# Altium PCB 4090ovo(003).pcbdoc (part 3 of 3) (continued)
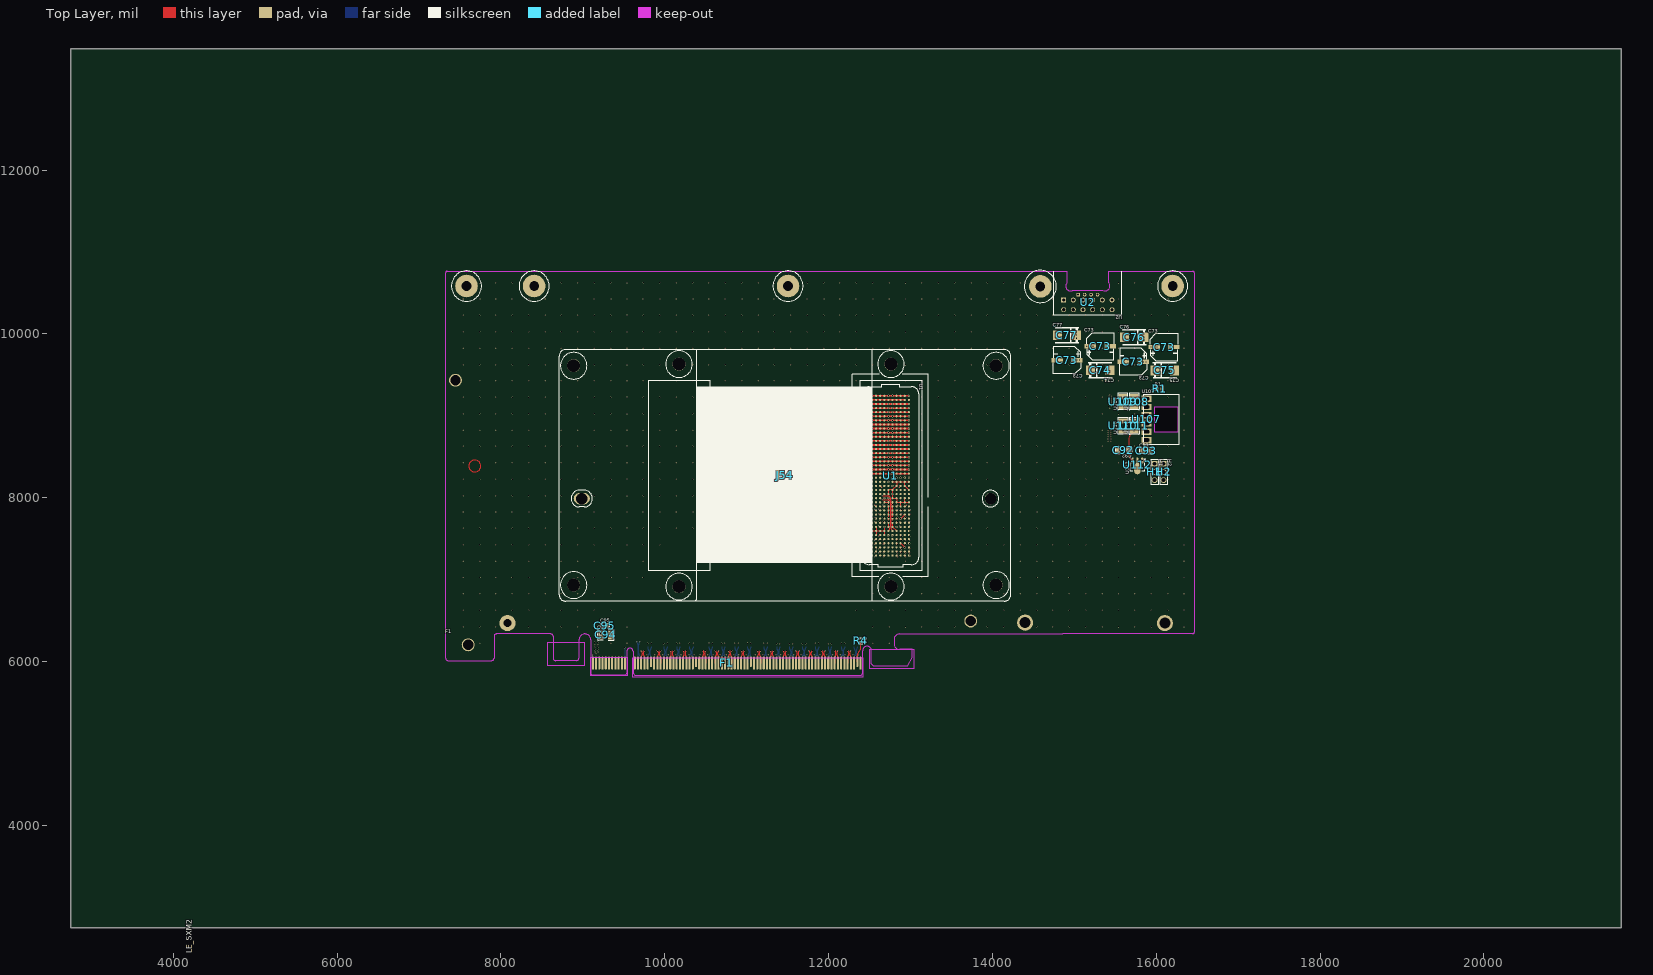
[diagram p0: Top Layer view]
## Nets (pads, with @x,y where several pads share a name; then routed paths per layer and width w, separated by ;. In a path a pad name is that pad's centre, name@x,y a point inside that pad or via, vN(x,y) a via of type N, cw(c..) or ccw(c..) an arc to the next point about the centre after c; other vN are vias at no path point) (continued)
TX4+: C7.2 U1.G10 | length 3027.5
  Top Layer w5.9: U1.G10@12830.01,7745 12840.92,7755.91 ccw(c12836.84,7760) 12841.02,7756.01 ccw(c12836.83,7760) v1(12842.61,7760)
  Inner4 w4.5: v1(10540,6221.46) 10540,6229.67 cw(c10565.69,6229.67) 10547.53,6247.83 ; 10547.52,6247.84 ccw(c10529.36,6266) 10555.05,6266 10555.05,6354.51 cw(c10556.25,6354.51) 10555.4,6355.35 ccw(c10554.56,6356.19) 10555.75,6356.2 10555.75,6361.2 ccw(c9917.51,6359.11) 10555.66,6370.2 cw(c11242.26,6382.13) 10591.95,6602.73 cw(c10901.26,6497.81) 10689.49,6746.47 cw(c13594.72,3335.08) 11385.66,7233.54 ; 11385.68,7233.56 ccw(c-6253.15,38397.9) 11393.52,7237.99 12045.81,7607.4 cw(c12616.38,6599.89) 12207,7682.95 cw(c12486.08,6944.62) 12459.72,7733.5 cw(c12804.25,-2577.4) 12804.25,7739.25 12813.72,7739.25 ccw(c12813.72,7740.53) 12814.63,7739.63 ; 12814.62,7739.62 cw(c12815.53,7738.72) 12815.53,7740 12825,7740 ccw(c12825,7757.61) 12842.61,7757.61 v1(12842.61,7760)
TX4-: C8.2 U1.G9 | length 3024
  Top Layer w5.9: U1.G9@12830.01,7695 cw(c12842.09,7695) 12833.55,7703.55 v1(12840,7710)
  Inner4 w4.5: 10572.47,6247.83 cw(c10554.31,6229.67) 10580,6229.67 v1(10580,6221.46) ; 10572.48,6247.84 cw(c10590.64,6266) 10564.95,6266 10564.95,6318.87 10568.13,6322.06 10571.82,6322.06 10575,6325.24 10575,6333.87 10571.82,6337.06 10568.13,6337.06 10564.95,6340.24 10564.95,6354.51 ccw(c10563.75,6354.51) 10564.6,6355.35 cw(c10565.44,6356.19) 10564.25,6356.2 10564.25,6361.2 ccw(c9933.04,6359.11) 10564.16,6370.2 cw(c11242.3,6382.12) 10600,6600 cw(c10901.26,6497.81) 10695,6740 cw(c13594.71,3335.08) 11389.84,7226.14 ccw(c-6248.96,38390.5) 11397.7,7230.59 12050,7600 cw(c12616.38,6599.89) 12210,7675 cw(c12486.08,6944.62) 12460,7725 cw(c12804.25,-2577.4) 12804.25,7730.75 12813.72,7730.75 cw(c12813.72,7729.47) 12814.63,7730.37 ; 12814.62,7730.38 ccw(c12815.53,7731.28) 12815.53,7730 12825,7730 cw(c12825,7715) 12840,7715 v1(12840,7710)
TX5+: C9.2 U1.H9 | length 2873.4
  Top Layer w4.5: v1(12870.92,7710) ccw(c12887.85,7710) U1.H9@12880.01,7695
  Inner4 w4.5: v1(10695,6221.46) 10695,6229.67 cw(c10720.69,6229.67) 10702.53,6247.83 ; 10702.52,6247.84 ccw(c10684.36,6266) 10710.05,6266 10710.05,6335.8 cw(c10711.24,6335.8) 10710.4,6336.64 ccw(c10709.56,6337.49) 10710.75,6337.49 10710.75,6342.49 ccw(c9108.81,6344.06) 10710.73,6351.49 ccw(c8394.87,6340.73) 10710,6400 cw(c11055.37,6408.84) 10730,6525 cw(c11233.93,6345.09) 10890,6755 cw(c13414.21,3746.55) 11320.59,7069.07 12185,7615 cw(c12439.81,7211.54) 12440,7688.73 12820.62,7688.73 ccw(c12820.62,7758.8) 12870.18,7709.25 v1(12870.92,7710)
TX5-: C10.2 U1.H8 | length 2871.8
  Top Layer w4.5: v1(12870.92,7658.95) ccw(c12886.18,7658.95) U1.H8@12880.01,7645
  Inner4 w4.5: 10727.47,6247.83 cw(c10709.31,6229.67) 10735,6229.67 v1(10735,6221.46) ; 10727.48,6247.84 cw(c10745.64,6266) 10719.95,6266 10719.95,6301.46 10723.13,6304.65 10726.82,6304.65 10730,6307.83 10730,6316.46 10726.82,6319.65 10723.13,6319.65 10719.95,6322.83 10719.95,6335.8 ccw(c10718.76,6335.8) 10719.6,6336.64 cw(c10720.44,6337.49) 10719.25,6337.49 10719.25,6342.49 ccw(c9110.82,6344.05) 10719.23,6351.49 ccw(c8395.12,6340.74) 10718.5,6400.22 cw(c11055.37,6408.84) 10738.01,6522.14 cw(c11233.93,6345.09) 10895.46,6748.49 cw(c13414.21,3746.55) 11321.31,7059.48 ccw(c614.82,24028.79) 11328.93,7064.29 ; 11328.92,7064.28 12189.54,7607.81 cw(c12439.81,7211.54) 12440,7680.23 12819.57,7680.23 cw(c12819.57,7607.6) v1(12870.92,7658.95)
TX6+: C11.2 U1.J10 | length 2870.7
  Top Layer w5.07: U1.J10@12930.01,7745 ccw(c12923.75,7760) v1(12940,7760)
  Top Layer w5.9: U1.J10@12930.01,7745 cw(c12942.09,7745) 12933.55,7753.55 v1(12940,7760)
  Inner4 w4.5: v1(10855,6221.46) 10855,6229.67 cw(c10880.69,6229.67) 10862.53,6247.83 ; 10862.52,6247.84 ccw(c10844.36,6266) 10870.05,6266 10870.05,6354.51 cw(c10871.25,6354.51) 10870.4,6355.35 ccw(c10869.56,6356.19) 10870.75,6356.2 10870.75,6450 cw(c10879.25,6450) 10870.77,6450.64 ccw(c10612.96,6470) 10871.5,6470 cw(c10880,6470) 10871.6,6471.28 cw(c11113.91,6434.44) 10913.03,6574.87 cw(c12069.31,5766.5) 11320.49,6962.2 12311.44,7582.72 cw(c12414.65,7358.72) 12383.94,7603.43 cw(c12545,6320.01) 12545,7613.5 12818.58,7613.5 ccw(c12818.58,7705) 12883.28,7640.3 12901.38,7658.4 ccw(c12890.84,7668.95) 12905.75,7668.95 12905.75,7669.22 ccw(c12904.47,7669.22) 12905.37,7670.13 ; 12905.38,7670.12 cw(c12906.28,7671.03) 12905,7671.03 12905,7720 cw(c12925,7720) 12925,7740 ccw(c12925,7755) 12940,7755 v1(12940,7760)
TX6-: C12.2 U1.J9 | length 2868.3
  Top Layer w5.9: U1.J9@12930.01,7695 12943.29,7708.29 ccw(c12941.58,7710) v1(12944,7710)
  Inner4 w4.5: 10887.47,6247.83 cw(c10869.31,6229.67) 10895,6229.67 v1(10895,6221.46) ; 10887.48,6247.84 cw(c10905.64,6266) 10879.95,6266 10879.95,6354.51 ccw(c10878.75,6354.51) 10879.6,6355.35 cw(c10880.44,6356.19) 10879.25,6356.2 10879.25,6378.36 10882.43,6381.54 10886.82,6381.54 10890,6384.72 10890,6393.36 10886.82,6396.54 10882.43,6396.54 10879.25,6399.72 10879.25,6408.36 10882.43,6411.54 10886.82,6411.54 10890,6414.72 10890,6423.36 10886.82,6426.54 10882.43,6426.54 10879.25,6429.72 10879.25,6450 ccw(c10612.96,6470) 10880,6470 cw(c11113.91,6434.44) 10920,6570 cw(c12069.31,5766.5) 11325,6955 12315.49,7575.22 cw(c12414.65,7358.72) 12385,7595 cw(c12545,6320.01) 12545,7605 12818.58,7605 ccw(c12818.58,7705) 12889.29,7634.29 12907.39,7652.39 ccw(c12890.84,7668.95) 12914.25,7668.95 12914.25,7669.22 cw(c12915.53,7669.22) 12914.63,7670.13 ; 12914.62,7670.12 ccw(c12913.72,7671.03) 12915,7671.03 12915,7720 cw(c12925,7720) 12925,7730 cw(c12925,7711) 12944,7711 v1(12944,7710)
TX7+: C13.2 U1.K9 | length 2718.4
  Top Layer w5.9: U1.K9@12980.01,7695 cw(c12986.33,7695) 12981.86,7699.47 v1(12992.39,7710)
  Inner4 w4.5: v1(11010,6221.46) 11010,6229.67 cw(c11035.69,6229.67) 11017.53,6247.83 ; 11017.52,6247.84 ccw(c10999.36,6266) 11025.05,6266 11025.05,6314.77 11025.75,6315.47 11025.75,6334.95 11020,6340.7 11020,6349.95 11025.75,6355.7 11025.75,6370.7 cw(c11495.79,6370.7) 11194.55,6731.52 ; 11194.56,6731.53 cw(c18728.48,-2638.24) 12305,7525 cw(c12495,7224.38) 12495,7580.01 12835,7580 ccw(c12814.34,7696.94) 12930,7670 cw(c12954.25,7664.35) 12954.25,7689.25 12963.72,7689.25 ccw(c12963.72,7690.53) 12964.63,7689.63 ; 12964.62,7689.62 cw(c12965.53,7688.72) 12965.53,7690 12975,7690 ccw(c12975,7707.39) 12992.39,7707.39 v1(12992.39,7710)
TX7-: C14.2 U1.K8 | length 2721.1
  Top Layer w5.07: U1.K8@12980.01,7645 ccw(c12977.39,7659.77) v1(12992.39,7659.7)
  Top Layer w5.9: U1.K8@12980.01,7645 cw(c12985.6,7645) 12981.65,7648.96 v1(12992.39,7659.7)
  Inner4 w4.5: 11042.47,6247.83 cw(c11024.31,6229.67) 11050,6229.67 v1(11050,6221.46) ; 11042.48,6247.84 cw(c11060.64,6266) 11034.95,6266 11034.95,6359.51 ccw(c11033.75,6359.51) 11034.6,6360.35 cw(c11035.44,6361.19) 11034.25,6361.2 11034.25,6370.7 cw(c11495.79,6370.7) 11200,6725 cw(c18728.63,-2638.48) 12309.55,7517.82 cw(c12495,7224.38) 12495,7571.51 12835.75,7571.5 12836.48,7571.63 ccw(c12814.34,7696.94) 12938.28,7668.07 cw(c12954.25,7664.35) 12954.25,7680.75 12963.72,7680.75 cw(c12963.72,7679.47) 12964.63,7680.37 ; 12964.62,7680.38 ccw(c12965.53,7681.28) 12965.53,7680 12975,7680 cw(c12975,7662.61) 12992.39,7662.61 v1(12992.39,7659.7)
TX8+: C15.2 U1.K6 | length 2535.2
  Top Layer w5.07: U1.K6@12980.01,7545 ccw(c12996.26,7545) v1(12990,7530)
  Inner4 w4.5: v1(11210,6221.46) 11210,6229.67 cw(c11235.69,6229.67) 11217.53,6247.83 ; 11217.52,6247.84 ccw(c11199.36,6266) 11225.05,6266 11225,6465 cw(c11770.02,6453.24) 11245,6600 cw(c11612.17,6497.36) 11392.3,6808.82 12405,7525 cw(c12515,7369.59) 12515,7559.99 12889.99,7559.99 cw(c12892.09,7516.25) 12935,7525 ccw(c12954.26,7528.93) 12954.26,7509.27 12963.75,7509.27 ccw(c12963.75,7510.52) 12964.63,7509.63 cw(c12965.52,7508.75) 12965.52,7510 12975,7510 ccw(c12975,7525) 12990,7525 v1(12990,7530)
TX8-: C16.2 U1.K5 | length 2532.8
  Top Layer w5.07: U1.K5@12980.01,7495 cw(c12879.93,7394.93) v1(12993.04,7480)
  Inner4 w4.5: 11242.47,6247.83 cw(c11224.31,6229.67) 11250,6229.67 v1(11250,6221.46) ; 11242.48,6247.84 cw(c11260.64,6266) 11234.95,6266 11234.95,6380.2 11240,6385.25 11240,6395.2 11234.95,6400.25 11234.95,6410.2 11240,6415.25 11240,6425.2 11234.95,6430.25 11234.95,6445 cw(c11369.45,6464.82) 11233.5,6464.82 cw(c11770.02,6453.24) 11253.19,6597.71 cw(c11612.17,6497.36) 11397.2,6801.88 12409.91,7518.06 cw(c12515,7369.59) 12515,7551.49 12890.41,7551.48 cw(c12892.09,7516.25) 12926.64,7523.3 ccw(c12954.26,7528.93) 12954.26,7500.74 12963.75,7500.73 cw(c12963.75,7499.48) 12964.63,7500.37 ccw(c12965.52,7501.25) 12965.52,7500 12975,7500 cw(c12975,7481.96) 12993.04,7481.96 v1(12993.04,7480)
TX9+: C17.2 U1.H6 | length 2228.9
  Top Layer w5.07: U1.H6@12880.01,7545 ccw(c12895.83,7545) v1(12890.81,7530)
  Inner4 w4.5: v1(11365,6219.69) 11365,6227.89 cw(c11390.69,6227.89) 11372.53,6246.06 ccw(c11354.36,6264.23) 11380.05,6264.23 11380.05,6364.02 11380.75,6364.72 11381.53,6460.67 cw(c11619.4,6441.87) 11417.82,6569.55 cw(c12271.46,6028.85) 11617.33,6799.03 12419.49,7481.47 cw(c12494.98,7392.78) 12494.98,7509.25 12859.55,7509.27 ccw(c12859.55,7510.52) 12860.44,7509.63 cw(c12861.33,7508.75) 12861.33,7510 12870.81,7510 ccw(c12870.81,7530) v1(12890.81,7530)
TX9-: C18.2 U1.H5 | length 2226.6
  Top Layer w5.07: U1.H5@12880.01,7495 cw(c12808.45,7423.45) v1(12892.37,7480)
  Inner4 w4.5: v1(11405,6219.29) 11405,6227.5 ccw(c11379.31,6227.5) 11397.48,6245.67 cw(c11415.64,6263.83) 11389.95,6263.83 11389.95,6364.02 11389.25,6364.72 11389.49,6394.36 11395.16,6399.94 11395.23,6409.32 11389.65,6414.99 11389.73,6424.36 11395.4,6429.94 11395.48,6439.32 11389.89,6444.99 11390.01,6459.99 cw(c11619.4,6441.87) 11425,6565 cw(c12271.46,6028.85) 11622.83,6792.55 12425,7475 cw(c12494.98,7392.78) 12494.98,7500.75 12859.55,7500.73 cw(c12859.55,7499.48) 12860.44,7500.37 ccw(c12861.33,7501.25) 12861.33,7500 12872.37,7500 cw(c12872.37,7480) v1(12892.37,7480)
TX10+: C19.2 U1.G5 | length 1967.6
  Top Layer w5.07: U1.G5@12830.01,7495 ccw(c12846.27,7495) v1(12840,7480)
  Inner4 w4.5: v1(11520,6219.69) ccw(c11477.63,6262.05) 11537.55,6262.05 11537.55,6359.52 cw(c11538.72,6359.52) 11537.89,6360.34 ccw(c11537.07,6361.17) 11538.23,6361.17 11538.24,6366.16 ccw(c11363.75,6364.93) 11537.94,6375.21 cw(c11859.03,6394.15) 11630,6620 cw(c13464.01,4811.52) 11850.7,6819.36 cw(c19658.03,-2914.78) 11857.77,6825.02 ; 11857.77,6825.03 12195,7095 cw(c12540.01,6663.95) 12430,7205 ccw(c12340.05,7647.37) 12580,7265 ccw(c12505.91,7383.07) 12640,7345 cw(c12699.74,7328.04) 12675,7385 ccw(c12573.73,7618.15) 12750,7435 cw(c12810.2,7372.44) 12810.2,7459.27 12814.22,7459.27 ccw(c12814.22,7460.52) 12815.1,7459.63 cw(c12815.99,7458.75) 12815.99,7460 12820,7460 ccw(c12820,7480) v1(12840,7480)
TX10-: C20.2 U1.G4 | length 1967.3
  Top Layer w5.07: U1.G4@12830.01,7445 ccw(c12846.06,7445) v1(12840.34,7430)
  Inner4 w4.5: v1(11565,6219.69) cw(c11607.37,6262.05) 11547.45,6262.05 11547.45,6270.3 11546.76,6270.99 11546.76,6275.69 11551.76,6280.69 11551.76,6290.69 11546.76,6295.69 11546.76,6305.69 11551.76,6310.69 11551.76,6320.69 11546.76,6325.69 11546.76,6335.69 11551.76,6340.69 11551.76,6350.69 11546.76,6355.69 11546.76,6370.69 cw(c11859.08,6394.11) 11636.07,6614.01 ; 11636.08,6614.01 cw(c13464,4811.53) 11859.57,6815.54 12200.33,7088.34 cw(c12540.01,6663.95) 12431.7,7196.64 ccw(c12340.05,7647.37) 12584.53,7257.77 ccw(c12505.91,7383.07) 12648.21,7342.67 cw(c12699.74,7328.04) 12678.4,7377.18 ccw(c12573.73,7618.15) 12755.92,7428.85 cw(c12810.2,7372.44) 12810.2,7450.73 12814.22,7450.73 cw(c12814.22,7449.48) 12815.1,7450.37 ccw(c12815.99,7451.25) 12815.99,7450 12820.34,7450 cw(c12820.34,7430) v1(12840.34,7430)
TX11+: C21.2 U1.J5 | length 1932
  Top Layer w5.07: U1.J5@12930.01,7495 cw(c12808.29,7373.29) v1(12943.35,7480)
  Inner4 w4.5: v1(11680,6218.9) 11680,6227.11 cw(c11705.69,6227.11) 11687.53,6245.27 ccw(c11669.36,6263.44) 11695.05,6263.44 11695.05,6359.52 cw(c11696.22,6359.52) 11695.39,6360.34 ccw(c11694.57,6361.17) 11695.74,6361.17 11695.74,6366.15 ccw(c11289.79,6361.68) 11695.53,6375.21 cw(c11901.19,6382.07) 11712.16,6463.37 cw(c12359.81,6184.81) 11861.49,6683.52 12138.36,6960.39 ; 12138.41,6960.41 cw(c12571.97,6604.37) 12406.76,7140.51 12577.49,7193.15 ccw(c12512.98,7402.35) 12717.05,7323.09 cw(c12827.32,7280.26) 12824.82,7398.53 ccw(c12823.54,7459.15) 12881.8,7442.36 cw(c12904.26,7435.89) 12904.26,7459.27 12913.75,7459.27 ccw(c12913.75,7460.52) 12914.63,7459.63 cw(c12915.52,7458.75) 12915.52,7460 12925,7460 ccw(c12925,7478.35) 12943.35,7478.35 v1(12943.35,7480)
TX11-: C22.2 U1.J4 | length 1928.4
  Top Layer w5.07: U1.J4@12930.01,7445 ccw(c12946.26,7445) v1(12940,7430)
  Inner4 w4.5: v1(11720,6218.9) 11720,6227.11 ccw(c11694.31,6227.11) 11712.48,6245.27 cw(c11730.64,6263.44) 11704.95,6263.44 11704.95,6323.96 11708.13,6327.15 11711.82,6327.15 11715,6330.33 11715,6338.96 11711.82,6342.15 11708.13,6342.15 11704.95,6345.33 11704.95,6359.52 ccw(c11703.78,6359.52) 11704.61,6360.34 cw(c11705.43,6361.17) 11704.27,6361.17 11704.27,6370.69 cw(c11901.31,6382.01) 11720,6460 cw(c12359.81,6184.81) 11867.51,6677.49 12145,6955 cw(c12571.97,6604.37) 12409.27,7132.36 12580,7185 ccw(c12512.98,7402.35) 12725,7320 cw(c12827.32,7280.26) 12825,7390 ccw(c12823.54,7459.15) 12890,7440 cw(c12904.26,7435.89) 12904.26,7450.74 12913.75,7450.73 cw(c12913.75,7449.48) 12914.63,7450.37 ccw(c12915.52,7451.25) 12915.52,7450 12925,7450 cw(c12925,7435) 12940,7435 v1(12940,7430)
TX12+: C23.2 U1.H3 | length 1691.2
  Top Layer w5.07: U1.H3@12880.01,7395 ccw(c12896.27,7395) v1(12890,7380)
  Inner4 w4.5: v1(11835,6221.46) ccw(c11792.63,6263.83) 11852.55,6263.83 11852.55,6355 cw(c12147.76,6355) 11906.92,6525.73 12148.29,6866.22 cw(c12622.85,6529.52) 12370.71,7053.92 12640,7185 ccw(c12565.82,7400.62) 12705,7220 ccw(c12670.67,7264.56) 12725,7250 cw(c12929.71,7195.16) 12775,7340 cw(c12820,7297.87) 12820,7359.51 12840.54,7359.51 ccw(c12840.54,7429.46) v1(12890,7380)
TX12-: C24.2 U1.H2 | length 1693.5
  Top Layer w5.07: U1.H2@12880.01,7345 ccw(c12897.8,7345) v1(12889.77,7329.13)
  Inner4 w4.5: v1(11880,6221.46) cw(c11922.37,6263.83) 11862.45,6263.83 11862.45,6318.64 11865.63,6321.82 11871.82,6321.82 11875,6325 11875,6333.64 11871.82,6336.82 11865.63,6336.82 11862.45,6340 11862.45,6355 cw(c12147.76,6355) 11915,6520 12156.36,6860.49 cw(c12622.85,6529.52) 12375,7045 12645,7175 ccw(c12549.93,7421.24) 12711.04,7212.16 ccw(c12670.67,7264.56) 12734.56,7247.44 cw(c12929.71,7195.16) 12782.23,7333.23 cw(c12820,7297.87) 12820,7349.61 12840.31,7349.61 cw(c12840.31,7279.67) v1(12889.77,7329.13)
TX13+: C25.2 U1.G2 | length 1497.8
  Top Layer w5.07: U1.G2@12830.01,7345 ccw(c12849.06,7345) v1(12838.52,7329.13)
  Inner4 w4.5: v1(11995,6218.9) 11995,6227.11 cw(c12020.69,6227.11) 12002.53,6245.27 ccw(c11984.36,6263.44) 12010.05,6263.44 12010.05,6359.52 cw(c12011.22,6359.52) 12010.39,6360.34 ccw(c12009.57,6361.17) 12010.74,6361.17 12010.74,6366.16 cw(c12385.42,6369.04) 12010.78,6375.22 ; 12010.77,6375.22 cw(c12304.66,6370.37) 12049.08,6515.52 12205,6790 cw(c12627.02,6550.31) 12360.94,6956.2 12695,7175 ccw(c12574.32,7359.26) 12785,7295 cw(c12804.26,7289.12) 12804.26,7309.27 12813.75,7309.27 ccw(c12813.75,7310.52) 12814.63,7309.63 cw(c12815.52,7308.75) 12815.52,7310 12825,7310 ccw(c12825,7323.52) 12838.52,7323.52 v1(12838.52,7329.13)
TX13-: C26.2 U1.G1 | length 1495
  Top Layer w5.07: U1.G1@12830.01,7295 v1(12845,7280)
  Inner4 w4.5: v1(12035,6219.69) 12035,6227.89 ccw(c12009.31,6227.89) 12027.48,6246.06 cw(c12045.64,6264.23) 12019.95,6264.23 12019.95,6359.52 ccw(c12018.78,6359.52) 12019.61,6360.34 cw(c12020.43,6361.17) 12019.27,6361.17 12019.27,6366.16 cw(c12383.08,6369.04) 12019.31,6375.22 cw(c12304.66,6370.37) 12056.49,6511.31 12130.97,6642.42 12138.19,6644.41 12142.98,6652.85 12141,6660.06 12212.42,6785.79 cw(c12627.02,6550.3) 12365.61,6949.07 12699.67,7167.86 ccw(c12574.32,7359.26) 12793.16,7292.51 cw(c12804.26,7289.12) 12804.26,7300.73 12813.75,7300.73 cw(c12813.75,7299.48) 12814.63,7300.37 ccw(c12815.52,7301.25) 12815.52,7300 12825,7300 cw(c12825,7280) v1(12845,7280)
TX14+: C27.2 U1.J2 | length 1463
  Top Layer w5.07: U1.J2@12930.01,7345 ccw(c12946.4,7345) v1(12942.31,7329.13)
  Inner4 w4.5: v1(12155,6221.46) 12155,6229.67 cw(c12180.69,6229.67) 12162.53,6247.83 ; 12162.52,6247.84 ccw(c12144.36,6266) 12170.05,6266 12170.05,6355 cw(c12805.81,6355) 12256.45,6674.98 cw(c13281.02,6078.21) 12437.96,6911.96 cw(c13560.28,5802.03) 12659.35,7098.13 12667.23,7103.61 12675.56,7108.4 ; 12675.75,7108.58 cw(c13316.22,6428.46) 12820,7220 ccw(c12737.73,7351.23) 12880,7290 cw(c12909.26,7277.4) 12909.26,7309.26 12918.75,7309.27 ccw(c12918.75,7310.52) 12919.63,7309.63 cw(c12920.52,7308.75) 12920.52,7310 12930,7310 ccw(c12930,7322.31) 12942.31,7322.31 v1(12942.31,7329.13)
TX14-: C28.2 U1.J1 | length 1460.2
  Top Layer w5.07: U1.J1@12930.01,7295 cw(c12851.44,7216.43) v1(12942.57,7280)
  Inner4 w4.5: 12187.47,6247.83 cw(c12169.31,6229.67) 12195,6229.67 v1(12195,6221.46) ; 12187.48,6247.84 cw(c12205.64,6266) 12179.95,6266 12179.95,6320.68 12183.13,6323.86 12186.77,6323.86 12189.95,6327.05 12189.95,6335.68 12186.77,6338.86 12183.13,6338.86 12179.95,6342.05 12179.95,6355 cw(c12805.81,6355) 12265,6670 cw(c13281.02,6078.21) 12445,6905 cw(c13560.28,5802.03) 12665,7090 12672.88,7095.48 ccw(c12670.34,7099.14) 12673.49,7095.99 12680,7100 12684.9,7105.47 cw(c13316.22,6428.46) 12824.53,7212.77 ccw(c12737.73,7351.23) 12887.84,7286.63 cw(c12909.26,7277.4) 12909.26,7300.73 12918.75,7300.73 cw(c12918.75,7299.48) 12919.63,7300.37 ccw(c12920.52,7301.25) 12920.52,7300 12930,7300 cw(c12930,7287.43) 12942.57,7287.43 v1(12942.57,7280)
TX15+: C29.2 U1.K3 | length 1550.8
  Top Layer w5.07: U1.K3@12980.01,7395 ccw(c12995.47,7395) v1(12991.74,7380)
  Inner4 w4.5: v1(12310,6219.69) 12310,6226.28 cw(c12339.58,6226.28) 12318.66,6247.2 ccw(c12301.59,6264.27) 12325.73,6264.27 cw(c13004.26,6219.53) 12356.88,6427.61 cw(c12592.38,6351.92) 12491.52,6577.79 cw(c13655.91,3970.16) 12827.52,6703.16 ; 12827.53,6703.16 ccw(c12782.08,6853.09) 12908.14,6760.07 ccw(c12670.94,6935.11) 12965.73,6935 12965.74,7313.75 ccw(c12964.48,7313.75) 12965.37,7314.63 cw(c12966.25,7315.52) 12965,7315.52 12965,7339.9 cw(c12984.61,7339.9) 12984.61,7359.51 ccw(c12984.61,7366.63) 12989.65,7361.6 ccw(c12984.61,7366.64) 12991.74,7366.63 v1(12991.74,7380)
TX15-: C30.2 U1.K2 | length 1548.4
  Top Layer w5.07: U1.K2@12980.01,7345 ccw(c12996.62,7345) v1(12991.74,7329.13)
  Inner4 w4.5: v1(12350,6219.69) 12350,6226.28 ccw(c12320.42,6226.28) 12341.34,6247.2 12341.14,6247.39 cw(c12357.75,6264) 12334.27,6264 12334.26,6264.27 cw(c13004.86,6219.34) 12365,6425 cw(c12592.38,6351.92) 12495,6570 cw(c13655.91,3970.16) 12830,6695 ccw(c12782.08,6853.09) 12915,6755 ccw(c12670.94,6935.11) 12974.26,6935 12974.26,7102.54 12977.45,7105.72 12981.08,7105.72 12984.26,7108.9 12984.26,7117.54 12981.08,7120.72 12977.45,7120.72 12974.26,7123.9 12974.26,7313.75 cw(c12975.52,7313.75) 12974.63,7314.63 ccw(c12973.75,7315.52) 12975,7315.52 12975,7340 cw(c12984.61,7340) 12984.61,7349.61 cw(c12984.61,7342.49) 12989.65,7347.53 cw(c12984.61,7342.49) 12991.74,7342.49 v1(12991.74,7329.13)
pads on no net: C90.2 C93.1 C93.2 F1.A5 F1.A6 F1.A7 F1.A8 F1.A19 F1.A32 F1.A33 F1.A50 F1.B5 F1.B6 F1.B9 F1.B10 F1.B11 F1.B12 F1.B17 F1.B30 F1.B31 F1.B48 F1.B82 J54.MH1 J54.MH2 J54.MH3 J54.MH4 J54.MH5 J54.MH6 J54.MH7 J54.MH8 J54.MH9 J54.MH10 R1.1 R1.2 U1.A15 U1.A16 U1.B16 U1.B17 U1.C15 U1.C16 U1.D16 U1.D17 U1.G16 U1.G17 U1.H15 U1.H16 U1.J16 U1.J17 U1.K15 U1.K16 U2.s1 U2.s2 U2.s3 U2.s4 U107.1
copper on no net: | length 457.6
  Top Layer w10: 7753.35,8387.57 ccw(c7680.52,8387.57) 7753.35,8387.57

## Polygon pours and split planes (outlines as drawn)
GND on Top Layer (solid, remove dead copper, pour order 8): 6645,11660 17090,11660 17090,5130 6645,5130
GND on Inner1 (solid, remove dead copper): 6415,11945 17220,11945 17220,5065 6415,5065
GND on Inner3 (solid, remove dead copper): 6805,11205 17280,11205 17280,5620 6805,5620
GND on Inner4 (solid): 5315,11990 20400,11990 20400,4200 5315,4200
GND on Bottom Layer (solid, remove dead copper, pour order 12): 3000,13230 21425,13230 21425,3000 3000,3000
+5V on Top Layer (solid, remove dead copper, pour order 0): 15935,8855 15960,8830 15960,8775 15945,8760 15785.36,8760 15720,8694.64 15720,8525 15735,8510 15735,8415 15720,8400 15701.08,8400 15690,8411.08 15690,8450 15655,8485 15655,8510 15620,8545 15620,8610 15590,8640 15590,8645 15395,8645 15380,8660 15380,8850 15385,8855
+12V on Inner2 (solid, remove dead copper): 14090,8335 12539.01,8335 12490,8384.01 12490,9224.43 12532.42,9266.85 13641.85,9266.85 14835,10460 15455,10460 15590,10325 15590,10195 15685,10100 15905,10100 16080,9925 16080,9520 15960,9400 15565,9400 15480,9315 15480,9060 15455,9035 15425,9035 15385,9075 15385,9260 15355,9290 15045,9290
+12V on Top Layer (solid, remove dead copper, pour order 2): 15415,9280 15460,9280 15490,9250 15490,9185 15520,9155 15935,9155 15960,9130 15960,9085 15935,9060 15415,9060 15385,9090 15385,9249.84 15415,9279.84
1.8V on Top Layer (solid, remove dead copper, pour order 4): 15755,8440 15755,8580 15795,8620 15958.54,8620 15970,8608.54 15970,8490 15985,8475 16150,8475 16165,8460 16165,8386.81 16148.19,8370 15825,8370
+12V on Top Layer (solid, remove dead copper, pour order 6): 9112.08,6051.63 9112.08,6252.08 9130,6270 9186.46,6270 9220,6236.46 9220,6055 9215,6050 9213.37,6051.63
+12V on Bottom Layer (solid, remove dead copper, pour order 10): 9145,6052.9 9145,6090 9120,6115 9120,6250 9135,6265 9183.61,6265 9213.61,6235 9215,6235 9215,6052.14 9214.24,6052.9
+12V on Inner2 (solid, remove dead copper): 9115,6125 9160,6080 9190.53,6080 9210,6099.47 9210,6230 11325,8345 12680.01,8345 12716.19,8381.19 12716.19,8442.08 12719.12,8445 12716.19,8445 12671.64,8489.56 11249.56,8489.56 9115,6355
+5V on Inner2 (solid, remove dead copper): 12751.82,8231.03 12751.82,8242.05 12779.77,8270 14140,8270 14720,8850 15465,8850 15495,8820 15495,8685 15455,8645 14815,8645 14280,8110 12795,8110 12750,8155 12750,8229.21

## Keep-outs
Inner1:
  region: 12420,7975 12700,7970 12705,7265 12526.91,7057.57 12455,6935 12330,6755 12305,6610 12305,6391.99 12296.37,6099.59 9678.51,6092.28 9675,6170 9685,6190 9690,6700 9760,7020 9950,7330 10245,7500 10910,7715 11495,7895 11940,7980
Inner4:
  region: 13055,8020 13045,6775 12590,6540 12445,6480 12385,6320 12376.9,6200 9645.29,6185.24 9615,6255 9640,6310 9660,6720 9735,7015 9935,7200 10155,7275 10510,7305 11030,7505 11300,7665 11795,7940 12140,8035 13056.59,8022.69
Board Outline Layer:
  region: 9096.46,6051.63 9540,6051.63 9540,5830 9096.46,5830
  region: 9610,6050 12417.71,6050 12417.71,5810 9610,5810
  region: 8570,6235 9020,6235 9020,5950 8570,5950
  region: 12500,6150 13039.66,6150 13039.66,5910 12500,5910
  lines w5.07: 7324.81,6041.89 7324.81,10746.61 cw(c7344.5,10746.61) 7344.5,10766.3 14755,10766.3 14755,10765 ; 14857.57,6340 16445.31,6340 ccw(c16445.31,6359.69) 16465,6359.69 16465,10745.56 ccw(c16445.31,10745.56) 16445.31,10765.24 15578.38,10765.25
  lines w8: 13835,6340 14590.28,6340 14857.57,6340
  lines w10: 12855,6340 13835,6340

## Silkscreen, mask and mechanical layers (free items; w line width, h text height)
Top Silkscreen Layer:
  circle w5.07: c7580,10585 r184.39
  circle w5.07: c8404.95,10585 r184.39
  circle w5.07: c11505,10585 r184.39
  circle w5.07: c14585,10580 r196.85
  circle w5.07: c16200,10585 r184.39
Top Solder Mask Layer:
  circle w10: c7569.97,8387.57 r15
  circle w10: c7527.35,6127.36 r15
  circle w10: c7527.35,6283.7 r15
  circle w10: c7602.35,8309.4 r15
  circle w10: c7602.35,8465.74 r15
  circle w10: c7680.52,8277.02 r15
  circle w10: c7680.52,8498.12 r15
  circle w10: c7758.69,8309.4 r15
  circle w10: c7683.69,6127.36 r15
  circle w10: c7683.71,6283.7 r15
  circle w10: c7758.71,8465.74 r15
  circle w10: c7791.07,8387.57 r15
  circle w10: c7715.55,6205 r15
  circle w10: c7605,6315.55 r15
  circle w10: c7605,6094.45 r15
  circle w10: c7494.45,6205 r15
  region: 9050,6065 12450,6065 12450,5810 9050,5810
  region: 12500,6150 13050,6150 13050,5910 12500,5910
  region: 8565,6230 9005,6230 9005,5930 8565,5930
Bottom Solder Mask Layer:
  circle w10: c7527.35,6283.7 r15
  circle w10: c7602.35,8465.74 r15
  circle w10: c7527.35,6127.36 r15
  circle w10: c7602.35,8309.4 r15
  circle w20: c7680.52,8387.57 r72.83
  circle w10: c7758.69,8309.4 r15
  circle w10: c7683.69,6127.36 r15
  circle w10: c7683.71,6283.7 r15
  circle w10: c7758.71,8465.74 r15
  circle w10: c7680.52,8277.02 r15
  circle w10: c7680.52,8498.12 r15
  circle w10: c7791.07,8387.57 r15
  circle w10: c7569.97,8387.57 r15
  circle w10: c7605,6094.45 r15
  circle w10: c7494.45,6205 r15
  circle w10: c7605,6315.55 r15
  circle w10: c7715.55,6205 r15
  region: 9050,6065 12450,6065 12450,5810 9050,5810
  region: 12500,6150 13050,6150 13050,5910 12500,5910